# Allegro board belt-box-dvt3-0706pm14.brd
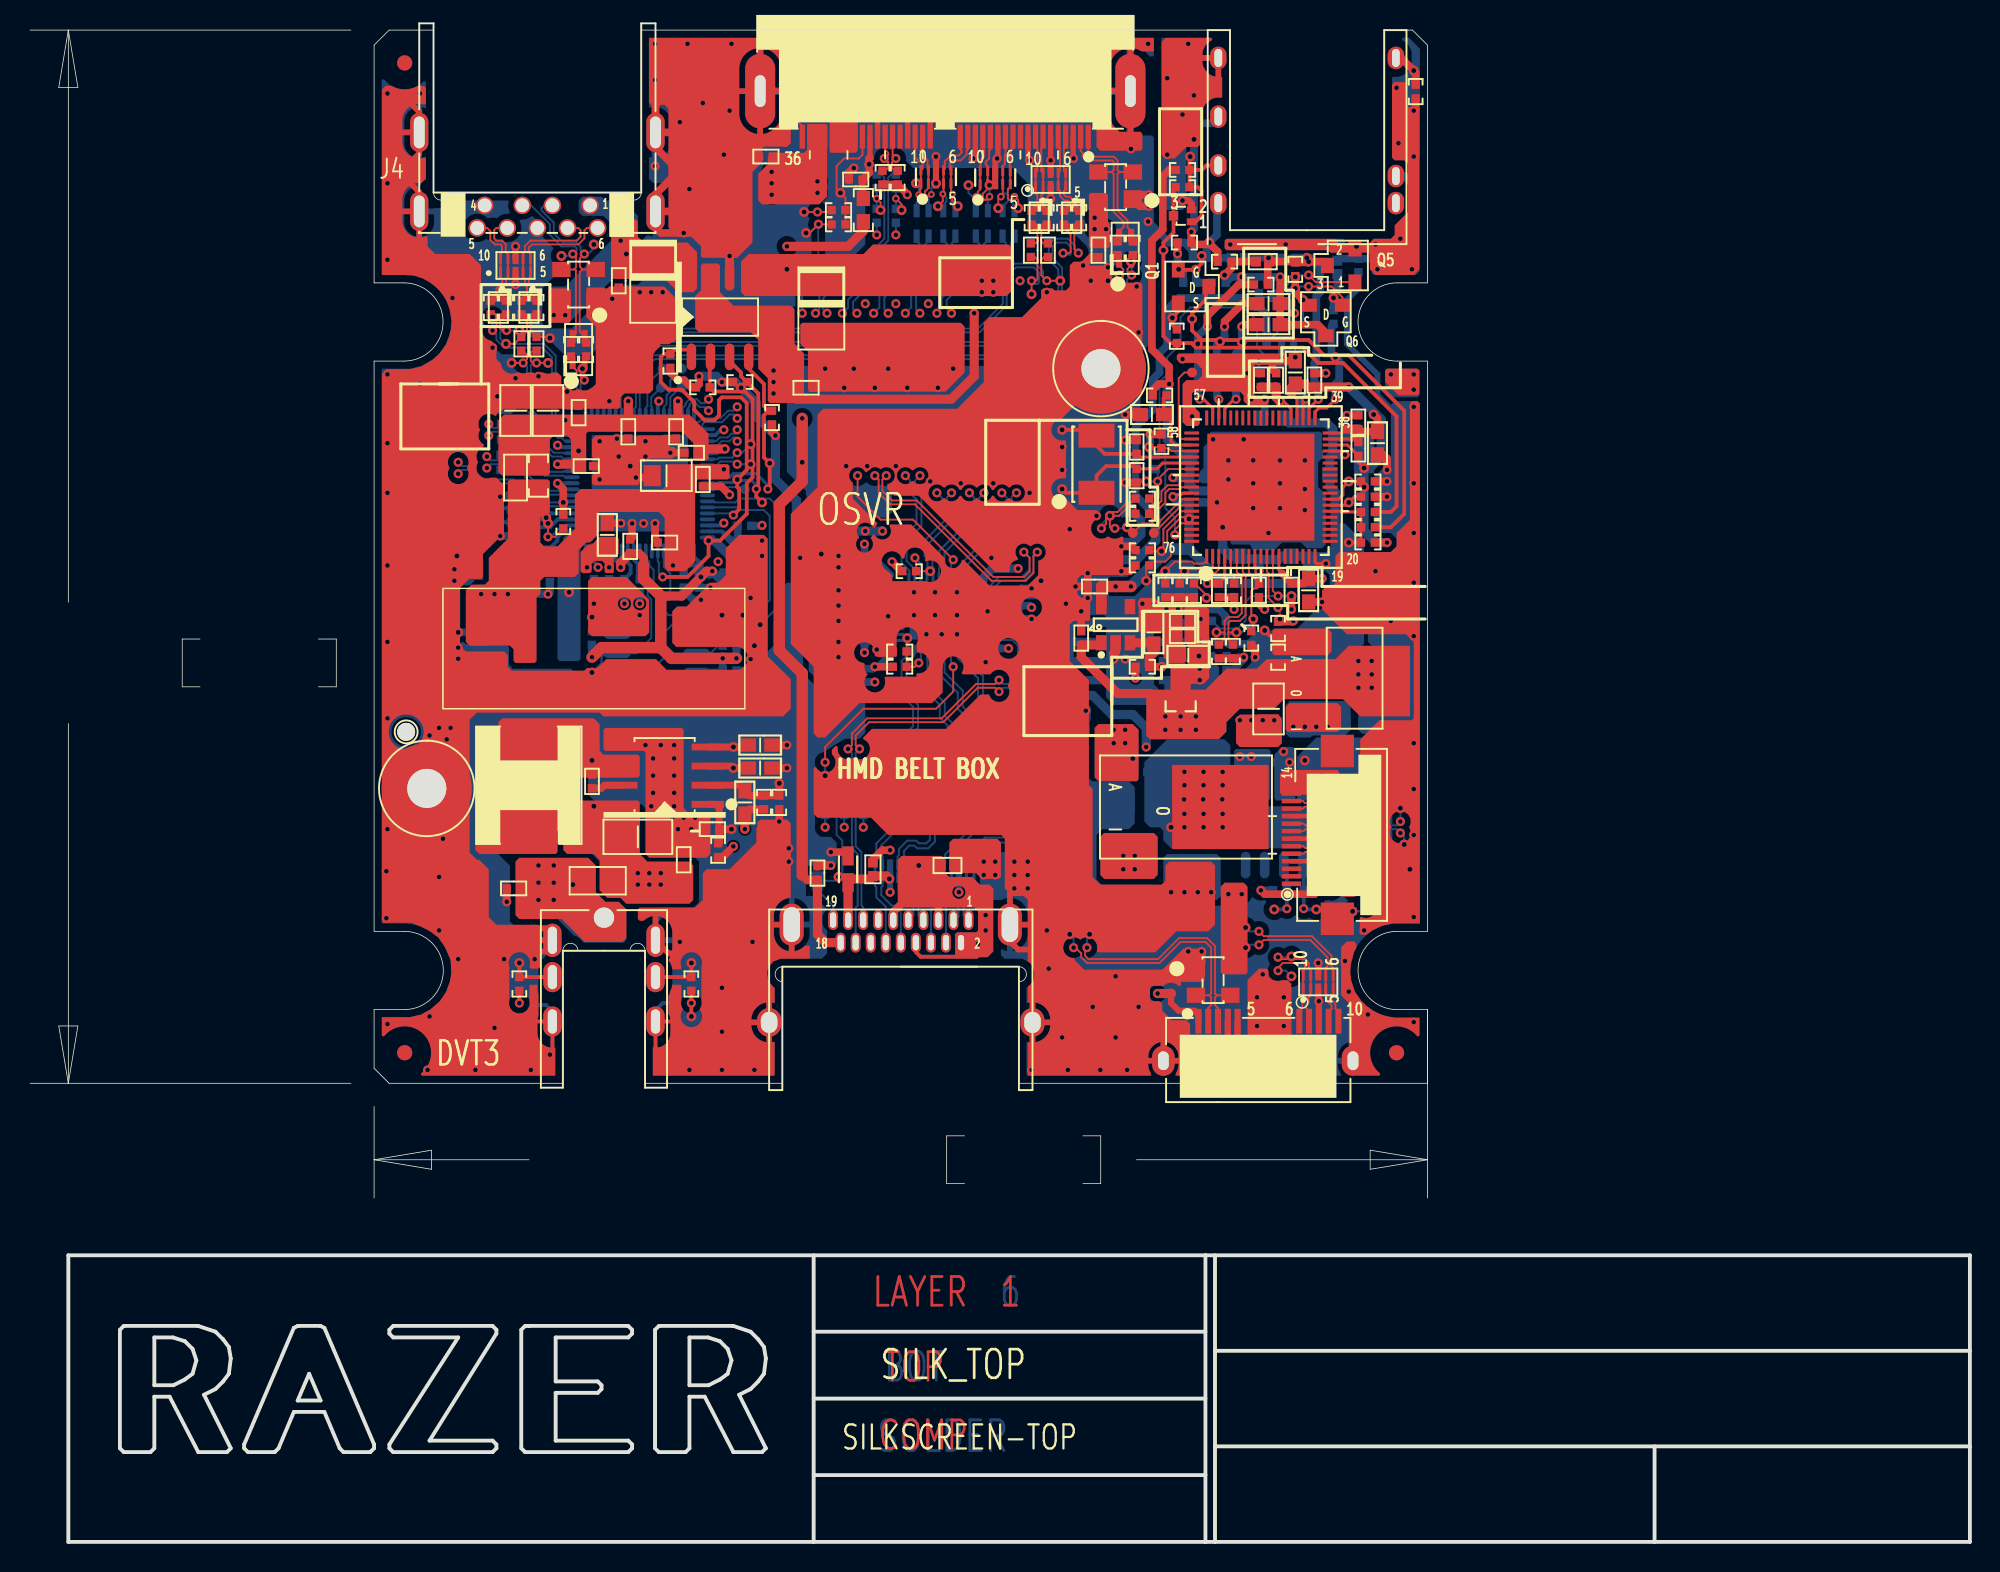
[diagram p0: board, top side]
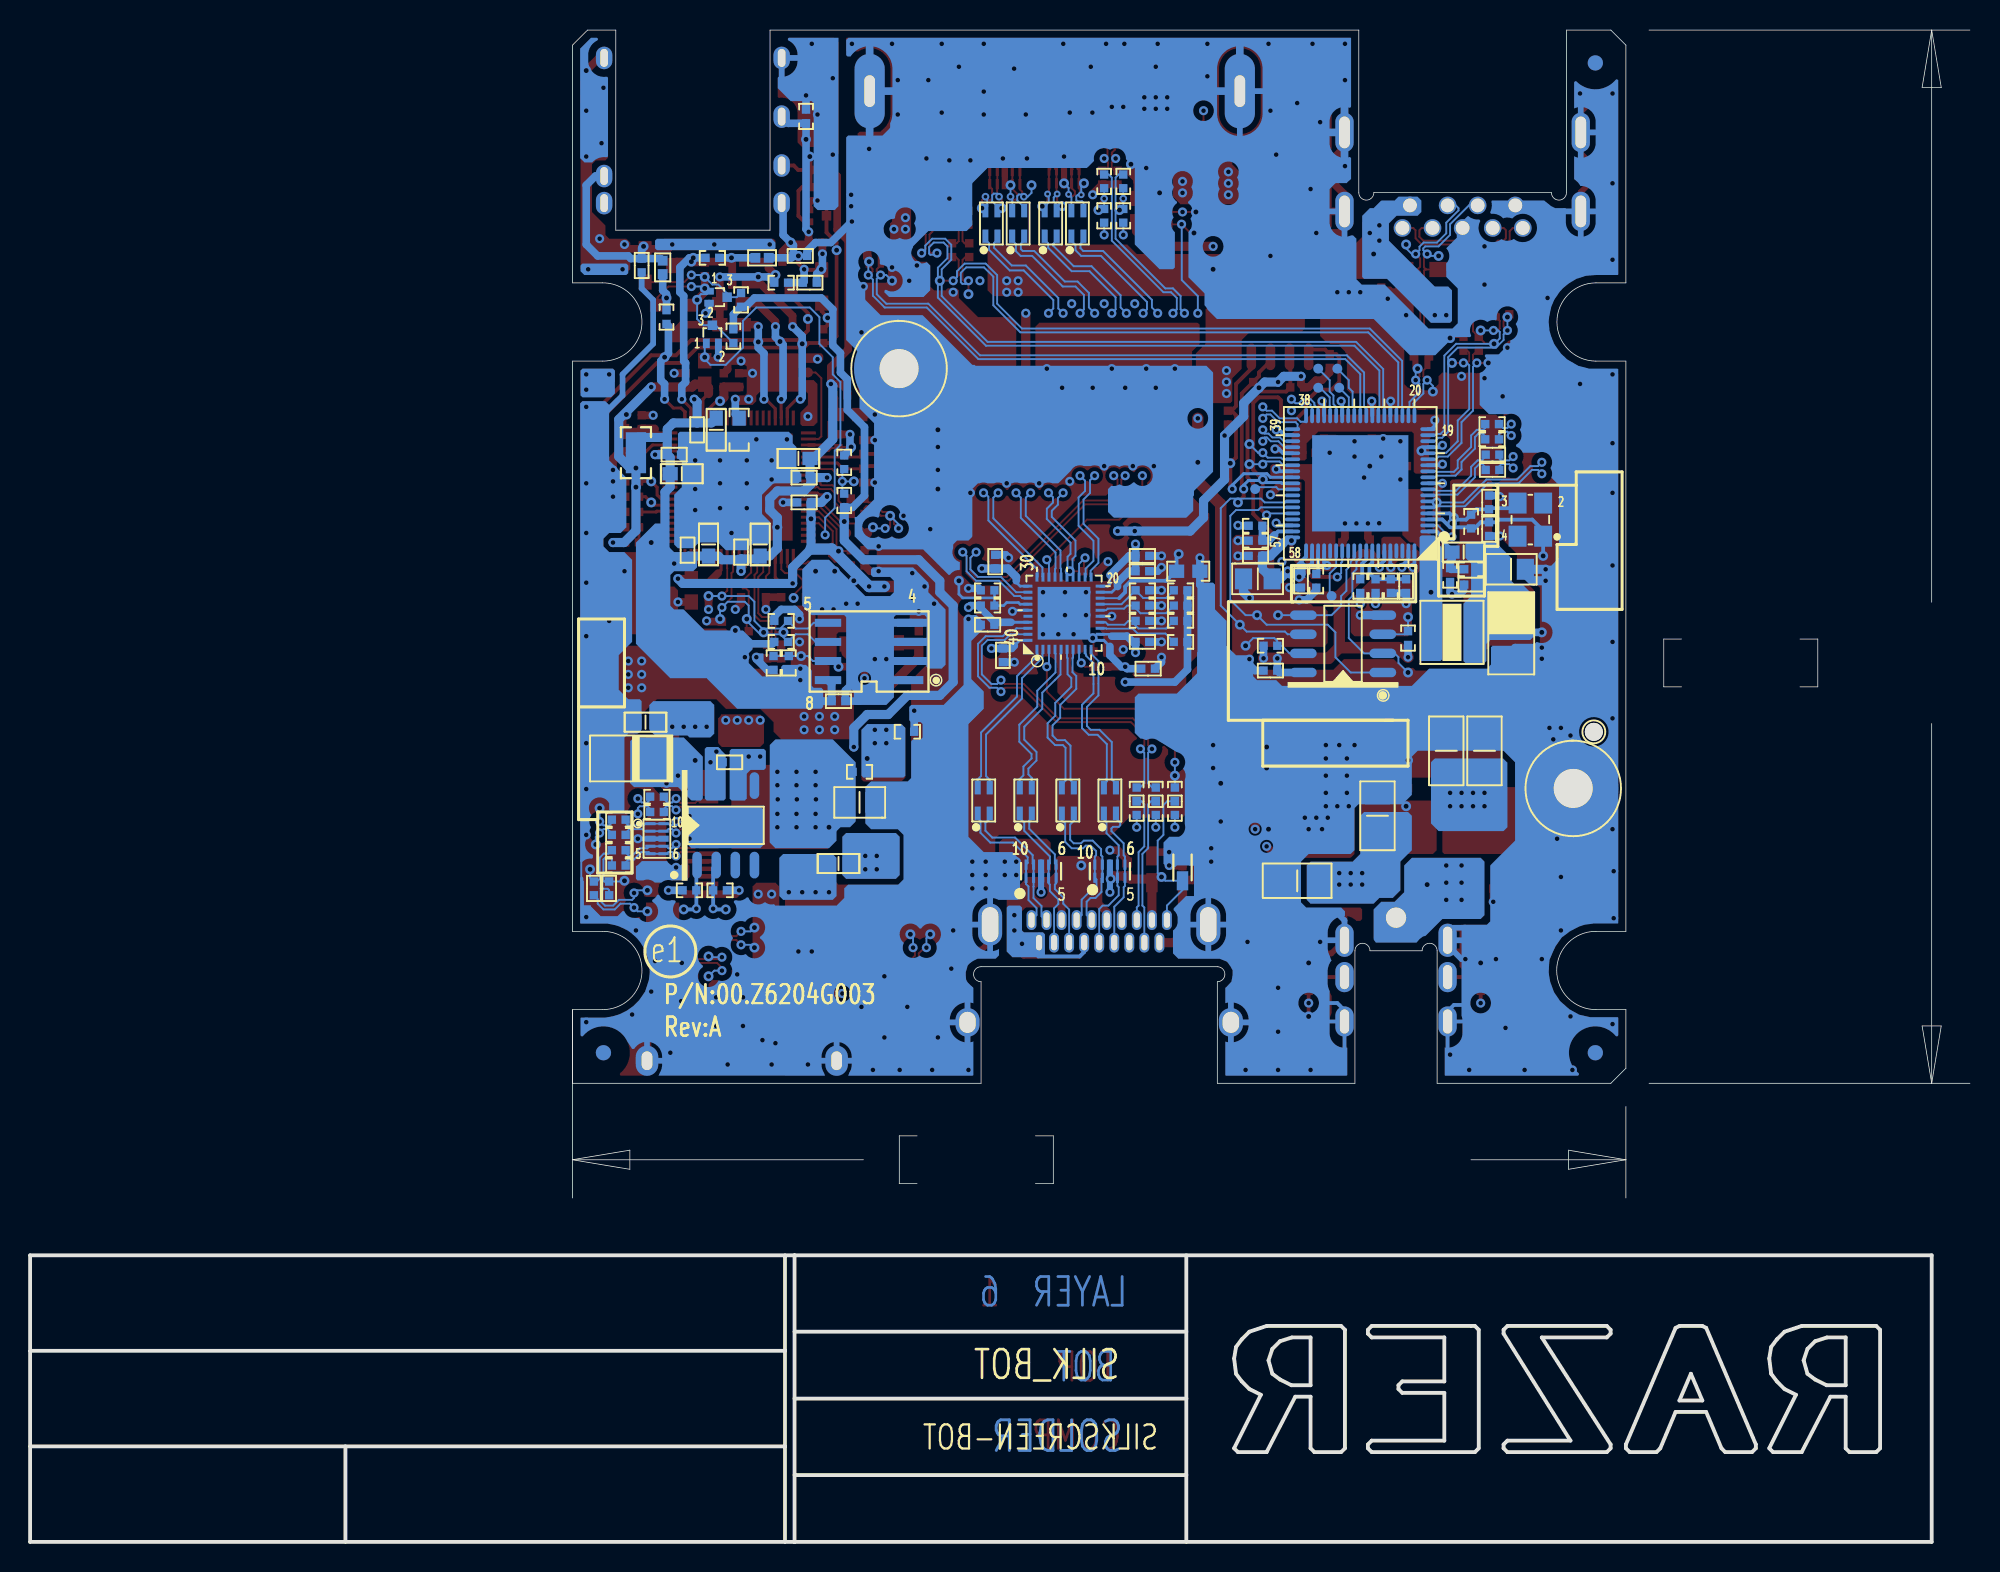
[diagram p1: board, bottom side, seen from below]

Outline 128.9 x 100.48 mm; copper layers: TOP, VCC, IN1, IN2, GND, BOTTOM. Coordinates in mm from the lower left corner of the outline.
Outline path: 22.86,99.48 23.86,100.48 26.81,100.48 26.81,89.68 arc(27.31,89.18) 27.81,89.68 39.61,89.68 arc(40.11,89.18) 40.61,89.68 40.61,100.48 79.73,100.48 79.73,87.18 89.99,87.18 89.99,100.48 91.86,100.48 92.86,99.48 92.86,83.68 90.86,83.68 arc(88.26,81.08) 90.86,78.48 92.86,78.48 92.86,40.58 90.86,40.58 arc(88.26,37.98) 90.86,35.38 92.86,35.38 92.86,30.48 65.71,30.48 65.71,37.23 arc(66.21,37.73) 65.71,38.23 50.01,38.23 arc(49.51,37.73) 50.01,37.23 50.01,30.48 40.87,30.48 40.87,39.29 arc(40.37,39.79) 39.87,39.29 36.41,39.29 arc(35.91,39.79) 35.41,39.29 35.41,30.48 23.86,30.48 22.86,31.48 22.86,35.38 24.86,35.38 arc(27.46,37.98) 24.86,40.58 22.86,40.58 22.86,78.48 24.86,78.48 arc(27.46,81.08) 24.86,83.68 22.86,83.68 22.86,99.48

## Design rules (mm)
net group DIFFPAIR0: nets HMD_CON_DATA2+ HMD_CON_DATA2-
net group DIFFPAIR1: nets HMD_CON_DATA1+ HMD_CON_DATA1-
net group DIFFPAIR2: nets HMD_CON_DATA0+ HMD_CON_DATA0-
net group DIFFPAIR3: nets HMD_CON_CLK+ HMD_CON_CLK-
net group DIFFPAIR4: nets HDMI_CON_CLK+ HDMI_CON_CLK-
net group DIFFPAIR5: nets HDMI_CON_DATA0+ HDMI_CON_DATA0-
net group DIFFPAIR6: nets HDMI_CON_DATA1+ HDMI_CON_DATA1-
net group DIFFPAIR7: nets HDMI_CON_DATA2+ HDMI_CON_DATA2-
net group DIFFPAIR13: nets HUB_RX1_CON_N HUB_RX1_CON_P
net group DIFFPAIR14: nets HUB_RXN1 HUB_RXP1
net group DIFFPAIR15: nets HUB_TX1_CON_N HUB_TX1_CON_P
net group DIFFPAIR16: nets USB3_TX1_C_N USB3_TX1_C_P
net group DIFFPAIR17: nets HUB_TXN1 HUB_TXP1
net group DIFFPAIR18: nets USB1+ USB1-
net group DIFFPAIR19: nets HUB_D+1 HUB_D-1
net group DIFFPAIR20: nets USB3.0_RXN_R USB3.0_RXP_R
net group DIFFPAIR21: nets USB3.0_TXN_R USB3.0_TXP_R
net group DIFFPAIR22: nets USB3.0_RXN USB3.0_RXP
net group DIFFPAIR23: nets USB3.0_TXN USB3.0_TXP
net group DIFFPAIR24: nets USB2.0_D+ USB2.0_D-
net group DIFFPAIR25: nets HUB_TX2_CON_N HUB_TX2_CON_P
net group DIFFPAIR26: nets USB3_TX2_C_N USB3_TX2_C_P
net group DIFFPAIR27: nets HUB_TXN2 HUB_TXP2
net group DIFFPAIR28: nets HUB_RX2_CON_N HUB_RX2_CON_P
net group DIFFPAIR29: nets HUB_RXN2 HUB_RXP2
net group DIFFPAIR30: nets USB2+ USB2-
net group DIFFPAIR31: nets HUB_D+2 HUB_D-2
net group DIFFPAIR32: nets USBP1N_R USBP1P_R
net group DIFFPAIR33: nets HUB_D+3 HUB_D-3
net group DIFFPAIR37: nets HDMI_CON_DATA2+_P HDMI_CON_DATA2-_P
net group DIFFPAIR38: nets HDMI_CON_DATA1+_P HDMI_CON_DATA1-_P
net group DIFFPAIR39: nets HDMI_CON_DATA0+_P HDMI_CON_DATA0-_P
net group DIFFPAIR40: nets HDMI_CON_CLK+_P HDMI_CON_CLK-_P
net group DIFFPAIR51: nets HMD_CON_CLK+_A HMD_CON_CLK-_A
net group DIFFPAIR52: nets HMD_CON_DATA0+_A HMD_CON_DATA0-_A
net group DIFFPAIR53: nets HMD_CON_DATA1+_A HMD_CON_DATA1-_A
net group DIFFPAIR54: nets HMD_CON_DATA2+_A HMD_CON_DATA2-_A
net group DIFFPAIR68: nets USB4+ USB4-
net group DIFFPAIR69: nets HUB_RX4_CON_N HUB_RX4_CON_P
net group DIFFPAIR70: nets HUB_TX4_CON_N HUB_TX4_CON_P
net group DIFFPAIR71: nets USB3_TX4_C_N USB3_TX4_C_P
net group DIFFPAIR72: nets HUB_TXN4 HUB_TXP4
net group DIFFPAIR73: nets HUB_RXN4 HUB_RXP4
net group DIFFPAIR74: nets HUB_D+4 HUB_D-4

## Placement (name value [footprint] x y rotation side)
C1  0.1UF  [C0402]  64.26 58.93 90 bottom
C2  0.1U/16V_4  [C0402]  65.28 60.96 180 bottom
C3  0.1UF  [C0402]  64.77 65.15 270 bottom
C4  0.1UF  [C0402]  52.32 44.45 90 top
C5  0.1UF  [C0402]  54.86 90.55 180 top
C6  0.1UF  [C0402]  54.99 65.53 180 bottom
C7  0.1U/16V_4  [C0402]  54.61 58.04 180 bottom
C8  0.1UF  [C0402]  54.99 64.52 180 bottom
C9  0.1UF  [C0402]  54.99 59.82 180 bottom
C10  10uF_X5R_6.3V  [C0805]  82.3 55.37 90 top
C11  1uF_X5R_6.3V  [C0603]  88.01 54.48 180 bottom
C12  10uF_X5R_6.3V  [C0805]  73.79 49.15 0 bottom
C13  1uF_X5R_6.3V  [C0603]  75.18 45.09 180 bottom
C14  6TPE220MAZB  [TANB]  52.58 81.79 270 top
C15  470pF_X7R_50V  [C0402]  70.99 85.85 270 top
C16  0.1uF_X5R_10V  [C0402]  67.64 85.85 90 top
C17  0.1uF_X5R_10V  [C0402]  66.5 85.85 90 top
C18  0.1uF_X5R_10V  [C0402]  31.72 72.26 180 bottom
C19  0.1uF_X5R_10V  [C0402]  31.72 71.25 180 bottom
C20  0.1UF  [C0402]  42.16 66.42 180 top
C21  0.1UF  [C0402]  44.7 70.61 270 top
C22  0.1UF  [C0402]  43.94 72.39 180 top
C23  0.1UF  [C0402]  36.96 71.5 0 top
C24  0.1UF  [C0402]  42.93 73.79 270 top
C25  0.1UF  [C0402]  39.75 73.79 270 top
C26  0.1UF  [C0402]  36.45 75.06 90 top
C27  4.7UF  [C0603]  38.35 66.93 90 top
C28  10uF_X5R_6.3V  [C0805]  47.32 64.01 180 bottom
C29  0.1UF  [C0402]  39.88 66.17 90 top
C30  0.1UF  [C0402]  44.45 63.88 270 bottom
C31  0.1UF  [C0402]  47.47 65.53 0 bottom
C32  0.1UF  [C0402]  46.48 57.91 0 bottom
C33  22uF  [C0805]  30.49 64.64 0 bottom
C34  0.1UF  [C0402]  33.15 63.63 0 bottom
C35  22P_NPO_50V  [C0603]  33.64 65.79 0 bottom
C36  10uF_X5R_6.3V  [C0805]  42.29 70.87 0 top
C37  10uF_X5R_6.3V  [C0805]  34.42 75.18 270 top
C38  10uF_X5R_6.3V  [C0805]  32.26 75.18 270 top
C39  27P_NPO_50V  [C0402]  31.95 67.31 270 bottom
C40  1U/6.3V_4  [C0402]  37.47 63.53 270 bottom
C41  27P_NPO_50V  [C0402]  31.95 69.09 90 bottom
C42  1U/6.3V_4  [C0402]  51.56 76.71 0 top
C43  6TPE220MAZB  [TANB]  41.4 83.57 270 top
C44  470pF_X7R_50V  [C0402]  39.12 83.82 270 top
C45  0.1uF_X5R_10V  [C0402]  32.64 79.63 90 top
C46  0.1uF_X5R_10V  [C0402]  33.66 79.63 90 top
C47  15P/50V_4  [C0402]  73.53 72.77 90 top
C48  10U/6.3V_6  [C0603]  77.85 72.01 0 bottom
C49  0.1U/16V_4  [C0402]  77.47 70.74 0 bottom
C50  10U/6.3V_6  [C0603]  74.55 74.93 180 top
C51  18P/50V_4  [C0402]  73.53 70.87 270 top
C52  10U/6.3V_6  [C0603]  76.96 58.93 180 top
C53  1U/6.3V_4  [C0402]  76.58 61.21 180 top
C54  0.1U/16V/X7R_4  [C0402]  76.58 60.2 180 top
C55  10U/6.3V_6  [C0603]  80.39 66.29 90 bottom
C56  0.1U/16V_4  [C0402]  81.66 65.79 90 bottom
C57  10U/6.3V_6  [C0603]  84.96 63.25 270 top
C58  0.1U/16V_4  [C0402]  83.82 63.25 270 top
C59  0.1U/16V_4  [C0402]  77.47 69.09 0 bottom
C60  0.1U/16V_4  [C0402]  78.99 63.25 270 top
C61  1U/6.3V_4  [C0402]  81.79 77.22 270 top
C62  0.1U/16V_4  [C0402]  82.8 77.22 90 top
C63  10U/6.3V_6  [C0603]  84.07 77.72 90 top
C64  0.1U/16V_4  [C0402]  85.34 77.22 90 top
C65  0.1U/16V_4  [C0402]  85.22 65.91 90 bottom
C66  10U/6.3V_6  [C0603]  83.31 73.91 270 bottom
C67  0.1U/16V_4  [C0402]  84.58 73.91 270 bottom
C68  *10U/6.3V_6_NC  [C0603]  83.82 66.29 90 bottom
C69  1U/6.3V_4  [C0402]  69.85 60.07 270 top
C70  1U/6.3V_4  [C0402]  70.74 63.5 0 top
C71  10U/6.3V_6  [C0603]  89.53 73.03 270 top
C72  0.1U/16V_4  [C0402]  88.27 74.42 90 top
C73  1U/6.3V_4  [C0402]  88.27 72.64 90 top
C74  2.2U/6.3V_6  [C0603]  74.68 60.45 270 top
C75  10U/6.3V_6  [C0603]  85.6 70.99 180 bottom
C76  0.1U/16V_4  [C0402]  86.11 72.26 180 bottom
C77  2.2U/6.3V_6  [C0603]  82.3 80.9 180 top
C78  2.2U/6.3V_6  [C0603]  82.3 82.3 180 top
C79  0.1U/16V_4  [C0402]  75.18 55.88 180 bottom
C80  100pF_NPO_50V  [C0402]  77.72 85.47 180 bottom
C81  100pF_NPO_50V  [C0402]  88.27 84.84 270 bottom
C82  1uF/25V  [C0603]  48.51 51.44 0 top
C83  3300PF/25V  [C0603]  48.51 52.96 0 top
C84  10uf/25v  [C1206]  40.39 46.86 0 top
C85  0.1uf/16v_NC  [C0402]  45.34 47.37 180 top
C86  0.1uF/25V  [C0402]  37.34 50.55 90 top
C87  22UF/10V  [C1206]  34.8 52.58 90 bottom
C88  2200pF/50V_X7R  [C0402]  43.43 45.34 90 top
C89  10uf/25v  [C1206]  44.7 43.94 0 bottom
C90  22UF/10V  [C1206]  32.26 52.58 90 bottom
C91  22PF/50V  [C0603]  47.5 49.15 90 top
C92  2200pF/50V_X7R  [C0402]  32.13 43.43 180 top
C93  0.1UF  [C0402]  48.89 92.08 180 top
C94  X_0.1U/16V_4  [C0402]  81.66 63.25 90 top
C95  1U/6.3V_4  [C0402]  77.09 83.69 0 bottom
C96  10uf/25v  [C1206]  39.37 48.26 90 bottom
C97  1U/6.3V_4  [C0402]  82.42 51.82 180 bottom
C98  0.1uF_X5R_10V  [C0402]  91.44 43.43 90 bottom
C99  0.1uF_X5R_10V  [C0402]  90.42 43.43 90 bottom
C106  6TPE220MAZB  [TANB]  89.15 52.07 0 bottom
EC1  100uF  [TANBB2]  30.48 60.2 270 bottom
ESD1  PGB1010603MR  [SUP_PGB1010603MR]  52.32 44.83 180 bottom
ESD2  PGB1010603MR  [SUP_PGB1010603MR]  54.36 44.7 0 top
FB1  BK1608HS601  [L0402]  81.91 85.09 180 top
FB2  BK1608HS601  [L0402]  86.87 84.71 90 bottom
FB3  BK1608HS601  [L0402]  80.26 85.34 180 bottom
FB4  100R  [L0402]  60.96 44.96 0 top
FB5  100R  [L0402]  56.01 44.7 90 top
H1  HOLEC197D102  [HOLEC236D102]  71.16 77.98 0 top
H2  HOLEC197D102  [HOLEC236D102]  26.36 50.08 0 top
H4  -  [HOLEC47D47N]  24.99 53.84 0 top
J1  -  [SINGATRON_2HE1718-000X11F]  57.86 34.53 0 top
J2  Hirose 36pin  [HRS_EDC3-124422]  60.81 99.3 180 top
J3  SINGATRON_2DC-5061-Q05F  [SINGATRON_2DC3064-010111F]  38.14 33.19 180 top
J4  CON SUNFUN_U3FA-RS01  [SINGATRON_2UB1585-000121F]  33.71 93.68 180 top
J5  -  [FOXCONN_UN51A63-BT01-7H]  78.94 30.53 0 top
J6  2SJ2284-102592  [SINGATRON_2SJ2284-102592]  84.86 100.48 180 top
J23  ACES_14PIN_FPC  [ACES_50502-14]  83.82 46.99 90 top
L1  X_80_100MHz  [DLP11T]  69.22 88.01 270 top
L2  X_80_100MHz  [DLP11T]  67.06 88.01 270 top
L3  X_90_100MHz  [BW_WCM2012F2S-900T04]  72.77 85.98 90 top
L4  10uH  [TY-TOP_MDJE4040T100MM]  34.42 60.45 180 bottom
L5  X_80_100MHz  [DLP11T]  31.12 82.04 270 top
L6  X_80_100MHz  [DLP11T]  33.15 82.04 270 top
L7  X_90_100MHz  [BW_WCM2012F2S-900T04]  36.45 79.25 90 top
L8  *0_0805short_NC  [SHORT0805]  76.45 56.9 270 top
L9  *0_0805short_NC  [SHORT0805]  88.65 72.39 90 bottom
L10  3.3UH_SMPI0603HW  [SMPI0603HW]  33.15 50.29 270 top
L11  HCB2012K_800T80_0805  [L0805]  37.72 43.94 180 top
L12  X_90_100MHz  [MCI-2012H-900]  65.53 49.28 90 bottom
L13  X_90_100MHz  [MCI-2012H-900]  62.74 49.28 90 bottom
L14  X_90_100MHz  [MCI-2012H-900]  59.94 49.28 90 bottom
L15  X_90_100MHz  [MCI-2012H-900]  57.15 49.28 90 bottom
L16  X_90_100MHz  [MCI-2012H-900]  65.02 87.63 90 bottom
L17  X_90_100MHz  [MCI-2012H-900]  63.25 87.63 90 bottom
L18  X_90_100MHz  [MCI-2012H-900]  61.09 87.63 90 bottom
L19  X_90_100MHz  [MCI-2012H-900]  59.31 87.63 90 bottom
NOREF  -  []  23.86 30.48 90 top
NOREF#2  -  []  12.86 198.76 0 top
NOREF#3  -  []  12.86 16.42 90 top
NOREF#4  -  [unnamed#2]  24.89 98.3 0 top
NOREF#5  -  []  2.54 0 0 top
NOREF#6  -  []  12.86 198.76 0 top
NOREF#7  -  [unnamed#2]  90.8 32.51 0 top
NOREF#8  -  []  17.86 193.76 90 top
NOREF#9  -  []  22.86 31.48 0 top
NOREF#10  -  [unnamed#2]  24.89 32.51 0 top
NOREF#11  -  [unnamed#2]  90.8 32.51 180 bottom
NOREF#12  -  [unnamed#2]  24.89 98.3 180 bottom
NOREF#13  -  [unnamed#2]  24.89 32.51 180 bottom
Q1  BSS138  [SOT23-GDS]  77.22 83.44 270 top
Q2  2SK3541  [VMT3-132]  76.58 88.14 90 top
Q3  2SK3541  [VMT3-132]  83.57 80.26 180 bottom
Q4  2SK3541  [VMT3-132]  83.19 82.73 270 bottom
Q5  Si2312BDS  [SOT23-132]  87.12 84.84 90 top
Q6  BSS138  [SOT23-GDS]  86.11 81.28 180 top
R1  2.2K  [R0402]  57.66 90.68 90 top
R2  2.2K  [R0402]  56.64 90.68 90 top
R3  0  [R0603]  55.37 88.52 90 top
R4  4.99K  [R0603]  51.94 64.52 180 bottom
R5  750  [R0402]  73.79 51.18 180 bottom
R6  115  [R0402]  82.93 58.8 90 top
R7  0  [R0402]  69.72 88.01 90 top
R8  187  [R0402]  82.93 60.71 90 top
R9  147  [R0402]  70.61 53.85 180 bottom
R10  0  [R0402]  68.71 88.01 90 top
R11  0  [R0402]  67.56 88.01 90 top
R12  X_4.7K  [R0402]  52.45 63.25 0 bottom
R13  X_4.7K  [R0402]  58.42 64.52 0 top
R14  4.7K  [R0402]  52.45 59.82 0 bottom
R15  X_4.7K  [R0402]  52.45 62.23 0 bottom
R16  X_4.7K  [R0402]  57.78 58.17 0 top
R17  X_4.7K  [R0402]  65.28 62.23 180 bottom
R18  4.7K  [R0402]  52.45 61.21 0 bottom
R19  0  [R0402]  66.55 88.01 90 top
R20  0  [R0402]  73.28 85.98 270 top
R21  X_4.7K  [R0402]  54.99 63.25 180 bottom
R22  X_4.7K  [R0402]  54.99 62.23 180 bottom
R23  X_4.7K  [R0402]  57.78 59.18 180 top
R24  X_4.7K  [R0402]  65.28 63.25 0 bottom
R25  X_4.7K  [R0402]  54.99 61.21 180 bottom
R26  0  [R0402]  72.26 85.98 270 top
R27  0  [R0402]  31.75 74.3 0 bottom
R28  0  [R0402]  31.75 73.28 0 bottom
R29  10K  [R0402]  46.48 59.56 0 bottom
R30  10K  [R0402]  37.34 60.07 90 bottom
R31  240K 1%  [R0402]  33.15 64.64 0 bottom
R32  0  [R0603]  33.78 70.87 90 top
R33  10K  [R0402]  40.51 63.53 90 bottom
R34  240K  [R0402]  34.54 64.26 270 bottom
R35  30K  [R0402]  39.5 63.53 90 bottom
R36  5.1K  [R0402]  47.47 67.54 180 bottom
R37  100K  [R0402]  43.43 63.88 270 bottom
R38  680  [R0402]  35.43 67.82 90 top
R39  1M  [R0402]  33.15 67.82 90 bottom
R40  39K  [R0402]  38.48 63.53 270 bottom
R41  10K  [R0402]  47.47 66.55 0 bottom
R42  100K  [R0402]  49.3 74.73 90 top
R43  10K  [R0402]  47.17 77.09 0 top
R44  10K  [R0402]  44.7 76.73 0 top
R45  100K  [R0402]  42.55 78.49 90 top
R46  0  [R0402]  30.61 82.04 90 top
R47  0  [R0402]  31.62 82.04 90 top
R48  0  [R0402]  32.64 82.04 90 top
R49  0  [R0402]  36.96 79.25 270 top
R50  0  [R0402]  33.66 82.04 90 top
R51  0  [R0402]  35.94 79.25 270 top
R52  22_4  [R0402]  73.91 69.34 0 top
R53  22_4  [R0402]  73.91 68.33 0 top
R54  100K_4  [R0402]  75.06 76.2 180 top
R55  100K_4  [R0402]  75.18 73.15 90 top
R56  10K_4  [R0402]  73.91 65.91 180 top
R57  100K_4  [R0402]  73.91 64.9 180 top
R58  10K_4  [R0402]  77.34 63.25 270 top
R59  10K_4  [R0402]  76.39 63.25 270 top
R60  10K_4  [R0402]  75.44 63.25 270 top
R61  80.6K/F_4  [R0402]  74.8 69.22 270 bottom
R62  130K/F_4  [R0402]  74.8 71.75 270 bottom
R63  10K_4  [R0402]  81.15 60.07 270 top
R64  4.7K_4  [R0402]  73.91 58.17 180 top
R65  10K_4  [R0402]  79.93 59.18 90 top
R66  10K_4  [R0402]  78.99 59.18 90 top
R67  10K_4  [R0402]  80.01 63.25 90 top
R68  *0_6_NC  [R0603]  81.79 73.91 90 bottom
R69  5.1K/F_4  [R0402]  88.9 66.42 180 top
R70  10K/F_4  [R0402]  88.9 67.44 0 top
R71  5.1K/F_4  [R0402]  88.9 68.45 0 top
R72  10K_4  [R0402]  88.9 69.47 180 top
R73  10K_4  [R0402]  88.9 70.48 180 top
R74  2.2K  [R0402]  81.79 83.57 180 top
R75  0  [R0402]  79.38 85.09 180 top
R76  X_0  [R0402]  76.71 86.36 180 top
R77  100  [R0402]  84.07 84.58 270 top
R78  X_0  [R0402]  77.34 94.74 270 bottom
R79  0  [R0402]  92.08 96.39 270 top
R80  *10K_4_NC  [R0402]  78.49 58.42 270 bottom
R81  100K  [R0402]  85.09 43.31 180 bottom
R82  33K  [R0402]  78.99 83.69 180 bottom
R83  10K  [R0402]  83.06 43.31 0 bottom
R84  0  [R0402]  76.2 80.14 90 top
R85  5.1_1%  [R0402]  86.61 81.41 90 bottom
R86  5.1_1%  [R0402]  83.57 85.34 180 bottom
R87  124K_1%  [R0402]  48.77 49.15 90 top
R88  21.5K_1%  [R0402]  49.78 49.15 270 top
R89  10K_1%  [R0402]  45.72 45.97 90 top
R90  0  [R0402]  87.25 49.53 0 bottom
R91  0  [R0402]  87.25 48.51 0 bottom
R92  0  [R0402]  89.79 45.97 180 bottom
R93  0  [R0402]  89.79 44.96 180 bottom
R94  0  [R0402]  89.79 48.01 180 bottom
R95  0  [R0402]  89.79 46.99 180 bottom
R99  10K_4  [R0402]  79.5 58.42 90 bottom
R102  10K_4  [R0402]  76.58 91.19 180 top
R103  X_0  [R0402]  76.58 90.04 0 top
R104  47K_4  [R0402]  82.17 80.14 90 bottom
R105  47K_4  [R0402]  81.66 82.55 270 bottom
R282  4.7K  [R0402]  78.99 61.21 0 bottom
R283  4.7K  [R0402]  78.99 59.82 0 bottom
R302  X_0  [R0402]  52.83 49.68 90 bottom
R317  0  [R0402]  52.83 48.77 270 bottom
R318  X_0  [R0402]  55.37 49.68 90 bottom
R319  X_0  [R0402]  54.1 49.68 90 bottom
R320  0  [R0402]  55.37 48.77 270 bottom
R321  0  [R0402]  54.1 48.77 270 bottom
R337  0  [R0402]  53.72 87.57 0 top
R344  0  [R0402]  57.53 90.42 270 bottom
R345  0  [R0402]  56.26 90.42 270 bottom
R371  0  [R0402]  53.72 88.52 0 top
R372  0  [R0402]  57.53 88.14 90 bottom
R373  0  [R0402]  56.26 88.14 90 bottom
R382  0  [R0402]  32.51 37.08 270 top
R383  0  [R0402]  43.94 37.08 270 top
TP1  PAD  [TPC26T]  73.28 67.06 0 top
TP2  PAD  [TPC26T]  74.68 67.06 0 top
TP3  TESTPAD_C26  [TPC26T]  77.22 77.72 0 top
TP4  TESTPAD_C26  [TPC26T]  75.82 36.45 0 top
TP5  TESTPAD_C26  [TPC26T]  42.42 62.86 180 bottom
TP6  TESTPAD_C26  [TPC26T]  47.5 69.98 180 bottom
TP7  TESTPAD_C26  [TPC26T]  42.04 77.98 180 bottom
TP8  TESTPAD_C26  [TPC26T]  41.91 76.71 180 bottom
TP9  TESTPAD_C26  [TPC26T]  43.31 77.98 180 bottom
TP10  TESTPAD_C26  [TPC26T]  43.31 76.71 180 bottom
U1  PS8407ATQFN40GTR2-A1  [TQFN40P500X500-41N]  60.2 61.72 90 bottom
U2  G1117  [SOT223-123]  87.76 57.4 270 top
U3  G1117  [TO252-AOI]  79.35 48.84 270 top
U4  LXES2TBBB4  [LXES2TBBB4-028]  67.82 90.55 90 top
U5  PRTR5V0U2X  [SOT143B]  72.14 90.04 90 top
U6  A25L512  [SOP8]  41.66 59.69 90 bottom
U7  LGA76  [QFN76-0_4MM]  40.51 70.36 90 bottom
U8  AIC1519N-0  [SOP8]  45.85 81.41 0 top
U9  PRTR5V0U2X  [SOT143B#2]  36.45 83.57 90 top
U10  LXES2TBBB4  [LXES2TBBB4-028]  32.26 84.84 90 top
U11  CX20705-21Z  [QFN76-9X9-4-77P]  81.79 70.1 90 top
U12  G9090-180T11U  [SOT23-5]  72.14 60.96 0 top
U13  BR24T256FJ-WGE2  [SOIC8-6-1_27]  73.15 59.18 90 bottom
U14  TPS54327DDA  [R-PDSO-G8]  42.16 50.93 90 top
U16  RCLAMP0524P.TCT  [CAPN_RCLAMP0524]  61.72 44.58 180 bottom
U17  RCLAMP0524P.TCT  [CAPN_RCLAMP0524]  57.15 44.58 180 bottom
U18  PRTR5V0U2X  [SOT143B#2]  78.61 37.34 270 top
U19  LXES2TBBB4  [LXES2TBBB4-028]  85.6 37.22 90 top
U20  AIC1519N-0  [SOP8]  82.68 47.62 180 bottom
U21  RCLAMP0524P.TCT  [CAPN_RCLAMP0524]  64.13 90.68 0 top
U22  LXES2TBBB4  [LXES2TBBB4-028]  87.25 46.74 180 bottom
U23  RCLAMP0524P.TCT  [CAPN_RCLAMP0524]  60.2 90.73 0 top
X_FB1  120ohm@100MHz  [L0603]  32.26 70.74 90 top
Y1  25MHz 20PF 3.2x2.5 +/-30PPM  [SK-3M]  29.21 67.95 90 bottom
Y2  48M-30ppm-7A48000047  [XTL-5X3_2-3_8-2P]  70.87 71.63 90 top

## Library data of the parts
C1-C9 C15-C26 C29-C32 C34 C39-C42 C44-C47 C49 C51 C53 C54 C56 C58-C62 C64 C65 C67 C69 C70 C72 C73 C76 C79-C81 C85 C86 C88 C92-C95 C97-C99 = C0402
C10 C12 C28 C33 C36-C38 = C0805
C11 C13 C27 C35 C48 C50 C52 C55 C57 C63 C66 C68 C71 C74 C75 C77 C78 C82 C83 C91 = C0603
C14 C43 C106 = TANB
C84 C87 C89 C90 C96 = C1206
EC1 = TANBB2
ESD1 ESD2 = SUP_PGB1010603MR
FB1-FB5 = L0402
H1 H2 = HOLEC236D102
H4 = HOLEC47D47N
J1 = SINGATRON_2HE1718-000X11F
J2 = HRS_EDC3-124422
J3 = SINGATRON_2DC3064-010111F
J4 = SINGATRON_2UB1585-000121F
J5 = FOXCONN_UN51A63-BT01-7H
J6 = SINGATRON_2SJ2284-102592
J23 = ACES_50502-14
L1 L2 L5 L6 = DLP11T
L3 L7 = BW_WCM2012F2S-900T04
L4 = TY-TOP_MDJE4040T100MM
L8 L9 = SHORT0805
L10 = SMPI0603HW
L11 = L0805
L12-L19 = MCI-2012H-900
Q1 Q6 = SOT23-GDS
Q2-Q4 = VMT3-132
Q5 = SOT23-132
R1 R2 R5-R31 R33-R67 R69-R95 R99 R102-R105 R282 R283 R302 R317-R321 R337 R344 R345 R371-R373 R382 R383 = R0402
R3 R4 R32 R68 = R0603
TP1-TP10 = TPC26T
U1 = TQFN40P500X500-41N
U2 = SOT223-123
U3 = TO252-AOI
U4 U10 U19 U22 = LXES2TBBB4-028
U5 U9 U18 = SOT143B
U6 U8 U20 = SOP8
U7 = QFN76-0_4MM
U11 = QFN76-9X9-4-77P
U12 = SOT23-5
U13 = SOIC8-6-1_27
U14 = R-PDSO-G8
U16 U17 U21 U23 = CAPN_RCLAMP0524
X_FB1 = L0603
Y1 = SK-3M
Y2 = XTL-5X3_2-3_8-2P

## Footprints (pads in the part's own frame, mm; a bottom-side part is the same pattern mirrored in y, then rotated)
ACES_50502-14
  rect 0.305x1.295 smd: 1(-3.25,0) 2(-2.75,0) 3(-2.25,0) 4(-1.75,0) 5(-1.25,0) 6(-0.75,0) 7(-0.25,0) 8(0.25,0) 9(0.75,0) 10(1.25,0) 11(1.75,0) 12(2.25,0) 13(2.75,0) 14(3.25,0)
  rect 2.159x2.21 smd: S1(-5.575,-3.05) S2(5.575,-3.05)
BW_WCM2012F2S-900T04
  rect 0.889x0.406 smd: 1(-0.85,0.4) 2(0.85,0.4) 3(-0.85,-0.4) 4(0.85,-0.4)
C0402
  rect 0.559x0.559 smd: 1(-0.457,0) 2(0.457,0)
C0603
  rect 1.016x0.889 smd: 1(-0.775,0) 2(0.775,0)
C0805
  rect 1.143x1.397 smd: 1(-0.953,0) 2(0.953,0)
C1206
  rect 1.27x1.651 smd: 1(-1.397,0) 2(1.397,0)
CAPN_RCLAMP0524
  rect 0.203x0.686 smd: 1(-1,-0.437) 2(-0.5,-0.437) 4(0.5,-0.437) 5(1,-0.437) 6(1,0.437) 7(0.5,0.437) 8(0,0.437) 9(-0.5,0.437) 10(-1,0.437)
  rect 0.406x1.549 smd: 3(0,0)
DLP11T
  rect 0.508x0.305 smd: 1(-0.625,0.275) 2(0.625,0.275) 3(0.625,-0.275) 4(-0.625,-0.275)
FOXCONN_UN51A63-BT01-7H
  rect 0.406x1.651 smd: 1(-1.3,4.077) 2(-0.65,4.077) 3(0,4.077) 4(0.65,4.077) 5(1.3,4.077) 6(5.4,4.077) 7(6.05,4.077) 8(6.7,4.077) 9(7.35,4.077) 10(8,4.077)
  oval 1.499x2.007 hole 0.711x1.245: G1(-3.63,1.45) G2(8.97,1.45)
  rect 0.787x1.803 smd: S1(-0.81,1.5)
  rect 1.905x1.803 smd: S2(2.2,1.5)
  rect 0.991x1.803 smd: S3(4.69,1.5)
  rect 1.194x1.803 smd: S4(6.3,1.5)
HOLEC47D47N
  round 1.194 hole 1.194 unplated: (0,0)
HOLEC236D102
  round 5.994 hole 2.591: 1(0,0)
HRS_EDC3-124422
  rect 0.356x1.6 smd: 1(-9.5,5.9) 2(-9,5.9) 3(-8.5,5.9) 4(-8,5.9) 5(-7.5,5.9) 6(-7,5.9) 7(-6.5,5.9) 8(-6,5.9) 9(-5.5,5.9) 10(-5,5.9) 11(-4.5,5.9) 12(-4,5.9) 13(-3.5,5.9) 14(-3,5.9) 15(-2.5,5.9) 16(-2,5.9) 17(-1.5,5.9) 18(-1,5.9) 19(1,5.9) 20(1.5,5.9) 21(2,5.9) 22(2.5,5.9) 23(3,5.9) 24(3.5,5.9) 25(4,5.9) 26(4.5,5.9) 27(5,5.9) 28(5.5,5.9) 29(6,5.9) 30(6.5,5.9) 31(7,5.9) 32(7.5,5.9) 33(8,5.9) 34(8.5,5.9) 35(9,5.9) 36(9.5,5.9)
  oval 2.007x4.953 hole 0.711x2.108: G1(-12.3,2.875) G2(12.3,2.875)
  rect 2.438x1.803 smd: S1(-4.625,1.3) S2(4.625,1.3)
L0402
  rect 0.66x0.66 smd: 1(-0.446,0) 2(0.446,0)
L0603
  rect 1.016x1.016 smd: 1(-0.813,0) 2(0.813,0)
L0805
  rect 1.346x1.448 smd: 1(-1.003,0) 2(1.003,0)
LXES2TBBB4-028
  rect 0.686x0.203 smd: 1(-0.437,1) 2(-0.437,0.5) 4(-0.437,-0.5) 5(-0.437,-1) 6(0.437,-1) 7(0.437,-0.5) 9(0.437,0.5) 10(0.437,1)
  rect 0.686x0.406 smd: 3(-0.437,0) 8(0.437,0)
MCI-2012H-900
  rect 0.889x0.406 smd: 1(-0.85,0.4) 2(-0.85,-0.4) 3(0.85,-0.4) 4(0.85,0.4)
QFN76-0_4MM
  oval 0.254x1.016 smd: 1(-3.6,-4.5) 2(-3.2,-4.5) 3(-2.8,-4.5) 4(-2.4,-4.5) 5(-2,-4.5) 6(-1.6,-4.5) 7(-1.2,-4.5) 8(-0.8,-4.5) 9(-0.4,-4.5) 10(0,-4.5) 11(0.4,-4.5) 12(0.8,-4.5) 13(1.2,-4.5) 14(1.6,-4.5) 15(2,-4.5) 16(2.4,-4.5) 17(2.8,-4.5) 18(3.2,-4.5) 19(3.6,-4.5) 39(3.6,4.5) 40(3.2,4.5) 41(2.8,4.5) 42(2.4,4.5) 43(2,4.5) 44(1.6,4.5) 45(1.2,4.5) 46(0.8,4.5) 47(0.4,4.5) 48(0,4.5) 49(-0.4,4.5) 50(-0.8,4.5) 51(-1.2,4.5) 52(-1.6,4.5) 53(-2,4.5) 54(-2.4,4.5) 55(-2.8,4.5) 56(-3.2,4.5) 57(-3.6,4.5)
  oval 1.016x0.254 smd: 20(4.5,-3.6) 21(4.5,-3.2) 22(4.5,-2.8) 23(4.5,-2.4) 24(4.5,-2) 25(4.5,-1.6) 26(4.5,-1.2) 27(4.5,-0.8) 28(4.5,-0.4) 29(4.5,0) 30(4.5,0.4) 31(4.5,0.8) 32(4.5,1.2) 33(4.5,1.6) 34(4.5,2) 35(4.5,2.4) 36(4.5,2.8) 37(4.5,3.2) 38(4.5,3.6) 58(-4.5,3.6) 59(-4.5,3.2) 60(-4.5,2.8) 61(-4.5,2.4) 62(-4.5,2) 63(-4.5,1.6) 64(-4.5,1.2) 65(-4.5,0.8) 66(-4.5,0.4) 67(-4.5,0) 68(-4.5,-0.4) 69(-4.5,-0.8) 70(-4.5,-1.2) 71(-4.5,-1.6) 72(-4.5,-2) 73(-4.5,-2.4) 74(-4.5,-2.8) 75(-4.5,-3.2) 76(-4.5,-3.6)